# Altium PCB 400484.PcbDoc (part 4 of 5)
Units mil, origin at the board's own origin, x right, y up, seen from the top; angles counter-clockwise.
Board outline 5375.1 x 2500 mil, 4 copper layers (Top Layer, Mid-Layer 1, Mid-Layer 2, Bottom Layer), stack 61.731 mil thick; 327 components, 226 nets, 1370 pads, 1365 vias.
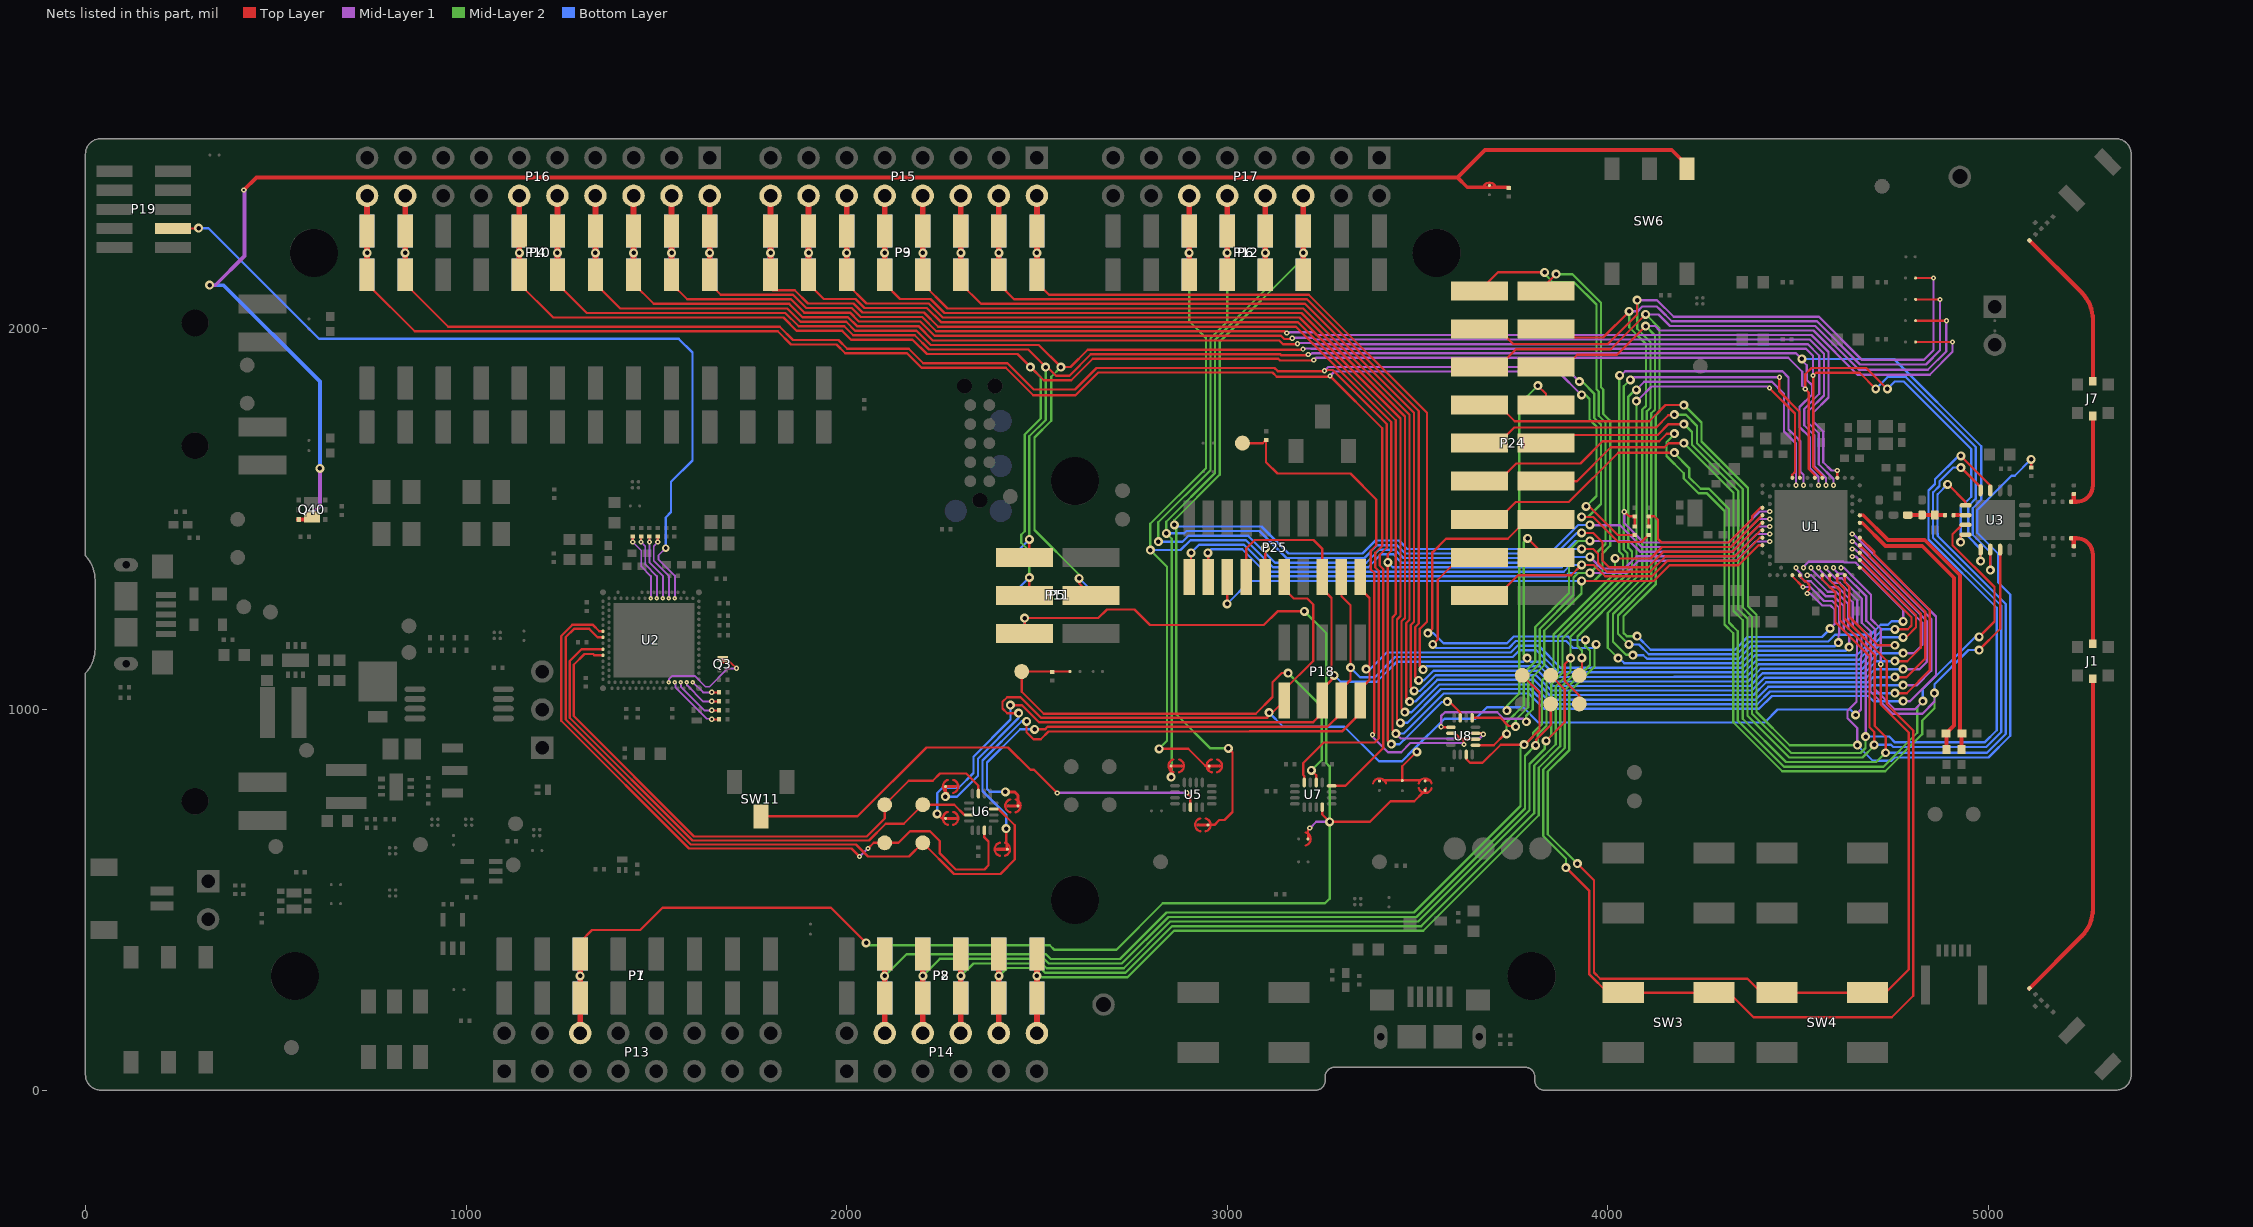
[diagram p6: the nets of this part, all layers, seen from the top]

## Via types
v1: diameter 23.62, hole 11.81, Top Layer to Bottom Layer, tented both sides, 881 vias
v2: diameter 19.68, hole 9.84, Top Layer to Bottom Layer, tented both sides, 281 vias
v3: diameter 13.78, hole 5.91, Top Layer to Mid-Layer 1, tented both sides, 129 vias
v4: diameter 13.78, hole 5.91, Top Layer to Mid-Layer 1, tented top, 40 vias
v5: diameter 24, hole 12, Top Layer to Bottom Layer, tented both sides, 24 vias
v6: diameter 11.81, hole 3.94, Top Layer to Mid-Layer 1, tented top, 10 vias

## Nets (pads, with @x,y where several pads share a name; then routed paths per layer and width w, separated by ;. In a path a pad name is that pad's centre, name@x,y a point inside that pad or via, vN(x,y) a via of type N, cw(c..) or ccw(c..) an arc to the next point about the centre after c; other vN are vias at no path point) (continued)
P0.04/AIN2: P2.2 P8.2 P14.4 TP43.1 U1.J1 U8.15 | length 3777.1
  Top Layer w6: U8.15@3627.87,881.77 3627.87,870.13 3638.02,859.98 3670.98,859.98 3718.48,907.48 3769.52,907.48 v1@3774.5,902.5 ; TP43.1@3775,1090 3820.26,1044.74 3820.26,946.55 3803.41,929.71 3803.41,929.42 v1@3781,907.01 ; v1(4019,1397) 4112.09,1397 4142.09,1427 4322.85,1427 4329.87,1434.03 4329.87,1434.1 4391.63,1495.85 4391.63,1496.81 4400.08,1505.26 4401.03,1505.26 4403.92,1508.15 U1.J1@4403.92,1508.62
  Top Layer w15: P14.4@2100,150 P2.2@2100,242.32 v1(2100,300) P2.2@2100,357.68
  Mid-Layer 2 w6: v1(2100,300) 2157,357 2523.61,357 2536.02,344.59 2718.03,344.59 2840.43,467 2887,467 3491,467 3770.33,746.33 3770.33,898.33 v1(3780,908) ; v1@3781.13,906.87 3803.63,929.37 3803.63,939.1 3826.91,962.37 3826.91,984.91 3827,985 3827,1076.42 3857,1106.42 3857,1197.06 4019,1359.06 v1(4019,1397)
  Bottom Layer w15: P8.2@2100,242.32 v1(2100,300) P8.2@2100,357.68
P0.05/AIN3: P6.3 P12.3 P17.6 SB51.1 U1.K2 | length 3790.7
  Top Layer w6: SB51.1@2949.3,697 2956.17,697 2966.2,697 2979.2,710 2993,710 3014.08,731.08 3014.08,886.92 v1(3003,898)
  Top Layer w15: P6.3@3200,2152 v1(3200,2200) P6.3@3200,2257.68 P17.6@3200,2350
  Mid-Layer 1 w6: v1@3954,1484 4032.16,1484 4089.16,1427 4322.85,1427 4396.53,1500.68 v3(4425.73,1500.68)
  Mid-Layer 2 w6: v1(3003,898) 2956,898 2866,988 2866,1480 v1(2861,1485) 2861,1497.73 2980,1616.73 2980,1966 3200,2186 v1(3200,2200)
  Bottom Layer w6: v1(2861,1485) 2865,1481 3090,1481 3161,1410 3355.39,1410 3389.39,1444 3451,1444 3473,1422 3859.3,1422 3922.3,1485 v1(3953,1485)
  Bottom Layer w15: P12.3@3200,2142.32 v1(3200,2200) P12.3@3200,2257.68
P0.06: P6.4 P12.4 P17.8 SB53.1 U1.L1 | length 3601.4
  Top Layer w5.91: 4323,1415 4327.75,1415 4341.83,1429.08 4341.83,1429.15 4403.52,1490.84 U1.L1@4406.05,1490.84
  Top Layer w6: v1(3931,1464) 3961.7,1464 3986,1439.7 3986,1390.94 4002.94,1374 4106.06,1374 4147.06,1415 4323,1415
  Top Layer w8: v1(2852.7,822.7) 2852.7,838.1 SB53.1@2852.7,852
  Top Layer w15: P6.4@3100,2142.32 v1(3100,2200) P6.4@3100,2257.68 P17.8@3100,2350
  Mid-Layer 2 w6: v1(2852.7,822.7) 2854,824 2854,1449 v1(2840,1463) 2840,1493.7 2968,1621.7 2968,1970.97 3100,2102.97 v1(3100,2200)
  Bottom Layer w6: v1(2840,1463) 2887.36,1463 2893.36,1469 3084.7,1469 3155.7,1398 3360.36,1398 3394.36,1432 3446.03,1432 3468.03,1410 3864.27,1410 3918.27,1464 v1(3931,1464)
  Bottom Layer w15: P12.4@3100,2142.32 v1(3100,2200) P12.4@3100,2257.68
P0.07: P6.5 P12.5 P17.10 P25.12 U1.M2 U8.1 | length 3658.1
  Top Layer w6: P25.12@3100,1348.23 v1(3100,1424) ; U8.1@3652.48,906.38 3700.41,906.38 3730.03,936 v1(3734,936)
  Top Layer w15: P6.5@3000,2150 v1(3000,2200) P6.5@3000,2257.68 P17.10@3000,2350
  Mid-Layer 1 w6: v1(3953,1443) 4056.33,1443 4084.33,1415 4327.82,1415 4393.82,1481 v3(4425.73,1481)
  Mid-Layer 2 w6: v1(2819,1441) 2819,1492 2956,1629 2956,1975.94 3000,2019.94 v1(3000,2200) ; v1(3734,936) 3734,966.3 3779,1011.3 3779,1096.3 3809,1126.3 3809,1216.94 3898,1305.94 3898,1418.7 3922.3,1443 v1(3953,1443)
  Bottom Layer w6: v1(2819,1441) 2882.33,1441 2898.33,1457 3054.27,1457 3125.27,1386 3365.33,1386 3399.33,1420 3441.06,1420 3463.06,1398 3869.24,1398 3914.24,1443 v1(3953,1443)
  Bottom Layer w15: P12.5@3000,2142.32 v1(3000,2200) P12.5@3000,2257.68
P0.08: P6.6 P12.6 P17.12 SB52.1 U1.N1 | length 3647.6
  Top Layer w5.91: 4333.95,1403 4402.11,1471.16 U1.N1@4406.05,1471.16
  Top Layer w6: v1(2821,897) 2897.64,897 2942.28,852.36 2945.83,852.36 2952.34,852.36 SB52.1@2952.7,852 2952.7,845 ; v1(3931,1422) 3961.7,1422 3974,1409.7 3974,1385.97 3997.97,1362 4111.03,1362 4152.03,1403 4333.95,1403
  Top Layer w15: P6.6@2900,2154 v1(2900,2200) P6.6@2900,2257.68 P17.12@2900,2350
  Mid-Layer 2 w6: v1(2821,897) 2842,918 2842,1375 v1(2798,1419) 2798,1487.97 2944,1633.97 2944,1976 2900,2020 v1(2900,2200)
  Bottom Layer w6: v1(2798,1419) 2877.3,1419 2903.3,1445 3049.3,1445 3120.3,1374 3370.3,1374 3404.3,1408 3436.09,1408 3458.09,1386 3874.21,1386 3910.21,1422 v1(3931,1422)
  Bottom Layer w15: P12.6@2900,2142.32 v1(2900,2200) P12.6@2900,2257.68
P0.09/NFC1: R43.2 R44.2 U1.L24 | length 768.2
  Top Layer w9.84: U1.L24@4661.95,1490.84 4662.14,1490.65 4668.55,1490.65 4729.63,1429.58 4826.17,1429.58 4909.4,1346.35 4909.4,957.87 R43.2@4888.53,937 4890,935.53 R44.2@4890,894.68
P0.10/NFC2: R45.2 R46.2 U1.J24 | length 787.1
  Top Layer w9.84: U1.J24@4661.95,1510.53 4670.95,1510.53 4736.05,1445.42 4832.73,1445.42 4925.24,1352.91 4925.24,942.91 R45.2@4931.16,937 ; R46.2@4929,894.68 R45.2@4929,934.84
P0.11: P24.1 P25.18 U1.T2 U8.5 | length 3336.5
  Top Layer w6: v1(2949,1412) 2950,1411 P25.18@2950,1348.23 ; U8.5@3643.62,978.23 3718,978.23 3739.23,957 3756,957 v1(3758,955) ; P24.1@3662.5,2100 3711.5,2149 v1(3834,2149)
  Mid-Layer 1 w6: v1(3953,1359) 4048.84,1359 4080.84,1391 4337.76,1391 4388.39,1441.63 v3(4425.73,1441.63)
  Mid-Layer 2 w6: v1(3758,955) 3758,973 3791,1006 3791,1091.33 3821,1121.33 3821,1211.97 3910,1300.97 3910,1346.7 3922.3,1359 v1(3953,1359) 3973.91,1379.91 3973.91,1415.14 3994,1435.24 3994,1753.81 3976,1771.81 3976,1835.72 3970,1841.72 3970,2064.03 3911.03,2123 3855.3,2123 3834,2144.3 v1(3834,2149)
  Bottom Layer w6: v1(2949,1412) 2958,1421 3039.36,1421 3110.36,1350 3889.12,1350 3898.12,1359 v1(3953,1359)
P0.12: P24.2 P25.16 U1.U1 U8.9 | length 3258.6
  Top Layer w5.91: 4337,1379 4343.11,1379 4395.9,1431.79 U1.U1@4406.05,1431.79
  Top Layer w6: v1(3000,1278) P25.16@3000,1348.23 ; v3(3562,955) 3563.38,953.62 U8.9@3587.52,953.62 ; P24.2@3837.5,2100 3837.5,2117.5 v1(3864,2144) ; v1(3931,1338) 4120.97,1338 4161.97,1379 4337,1379
  Mid-Layer 1 w6: v3(3562,955) 3562,983.08 3572.05,993.13 3709.17,993.13 3726.3,976 3778,976 v1(3786,968)
  Mid-Layer 2 w6: v1@3785,968 3785,983.03 3803,1001.03 3803,1086.36 3833,1116.36 3833,1207 3931,1305 v1(3931,1338) 3964,1338 3985.81,1359.81 3985.81,1410.21 4006,1430.4 4006,1758.78 3988,1776.78 3988,1840.69 3982,1846.69 3982,2069 3907,2144 v1(3864,2144)
  Bottom Layer w6: v1(3000,1278) 3060,1338 v1(3931,1338)
P0.13: P24.3 SB5.1 U1.AD8 | length 3410.3
  Top Layer w6: P24.3@3681,2000 3712,2000 3751.37,1960.63 3999.77,1960.63 4076.82,2037.68 4076.82,2054.84 4076.77,2054.89 v1(4076.77,2075.79) ; U1.AD8@4484.79,1353.05 4484.79,1350.21 v3(4513,1322) ; SB5.1@4808.63,2133.73 v3(4855.71,2133.73) v3@4859.25,2133.73
  Mid-Layer 1 w6: v1(4076.77,2075.79) 4129.21,2075.79 4173,2032 4554.61,2032 4667.79,1918.83 4830.24,1918.83 4855.71,1944.3 v3(4855.71,2133.73) ; v3(4513,1322) 4531.57,1322 4568.1,1285.47 4589.67,1285.47 4607.91,1267.24 4607.91,1197.91 4606,1196 v1(4606,1176)
  Mid-Layer 2 w6: v1(4066,1143) 4065.3,1143.7 4048.23,1143.7 4013.78,1178.15 4013.78,1251.1 4102.47,1339.8 4102.47,1783.47 4112.02,1793.01 4112.02,1965.44 4077.01,2000.45 4077.01,2075.55 v1(4076.77,2075.79)
  Bottom Layer w6: v1(4066,1143) 4093.33,1143 4102.8,1133.53 4343.78,1133.53 4376.99,1166.73 4596.73,1166.73 v1(4606,1176)
P0.14: P24.4 SB6.1 U1.AC9 | length 3269
  Top Layer w6: P24.4@3837.5,2000 3888.78,2000 3911.42,1977.36 3987.1,1977.36 4056,2046.26 v1(4056.1,2046.26) ; SB6.1@4808.63,2077.73 v3(4873.03,2077.73)
  Mid-Layer 1 w6: v1(4056.1,2046.26) 4077.72,2046.26 4090.75,2059.29 4128.6,2059.29 4138.17,2049.72 4138.31,2049.72 4168.03,2020 4549.78,2020 4662.86,1906.92 4836.06,1906.92 4873.03,1943.9 v3(4873.03,2077.73) ; v3(4494.63,1372.73) 4494.63,1370.08 4508.36,1356.35 4508.36,1346.5 4517.61,1337.25 4533.15,1337.25 4573.03,1297.37 4594.61,1297.37 4619.81,1272.17 4619.81,1208.6 4634,1194.41 v1(4634,1164)
  Mid-Layer 2 w6: v1(4027.16,1135) 4033.62,1141.47 4020.69,1141.47 3999.76,1162.4 3999.76,1253.92 4090.57,1344.73 4090.57,1788.4 4100.11,1797.94 4100.11,1960.51 4056.1,2004.52 v1(4056.1,2046.26)
  Bottom Layer w6: v1(4027.16,1135) 4030.1,1135 4043.48,1121.62 4348.71,1121.62 4381.92,1154.83 4624.83,1154.83 v1(4634,1164)
P0.15: P24.5 SB7.1 U1.AD10 | length 3207.9
  Top Layer w6: P24.5@3662.5,1900 3712,1900 3758.85,1946.85 4007.87,1946.85 v1(4099.41,2038.39) ; U1.AD10@4504.47,1353.05 4504.47,1350.39 4517.61,1337.25 4520.09,1337.25 4530.02,1327.32 4530.02,1316.33 4524,1310.32 v3(4524,1305) ; SB7.1@4808.63,2021.73 v3(4889.55,2021.65)
  Mid-Layer 1 w6: v1@4099.41,2037.96 4133.1,2037.96 4163.06,2008 4544.94,2008 4660.22,1892.72 4840.55,1892.72 4889.55,1941.71 v3(4889.55,2021.65) ; v3(4524,1305) 4531.73,1305 4563.17,1273.56 4584.74,1273.56 4596,1262.3 4596,1225 v1(4584,1213)
  Mid-Layer 2 w6: v1(4077,1193) 4049.84,1193 4041.34,1201.5 4041.34,1244.99 4126.28,1329.93 4126.28,1773.61 4135.83,1783.15 4135.83,2001.97 v1(4099.41,2038.39)
  Bottom Layer w6: v1(4077,1193) 4112.66,1157.34 4333.92,1157.34 4367.12,1190.54 4562.59,1190.54 4584,1211.95 v1(4584,1213)
P0.16: P24.6 SB8.1 U1.AC11 | length 3329.7
  Top Layer w6: P24.6@3837.5,1900 3887.5,1900 3919.59,1932.09 4023.89,1932.09 4096.46,2004.66 v1@4099.41,2004.66 ; SB8.1@4808.63,1965.73 v3(4905.51,1965.73)
  Mid-Layer 1 w6: v1(4099.41,2007.61) 4124.39,2007.61 4136,1996 4540.1,1996 4656.1,1880 4845.55,1880 4905.51,1939.96 v3(4905.51,1965.73) ; v3(4514.31,1372.73) 4514.31,1375.38 4527.46,1388.53 4619.28,1388.53 4621.35,1386.46 4650.7,1386.46 4656.58,1380.58 4776,1261.16 v1(4776,1232)
  Mid-Layer 2 w6: v1(4055,1171) 4026.57,1199.43 4026.57,1247.06 4114.38,1334.87 4114.38,1778.54 4123.92,1788.08 4123.92,1983.1 v1(4099.41,2007.61)
  Bottom Layer w6: v1(4055,1171) 4082.16,1171 4107.73,1145.43 4338.85,1145.43 4372.05,1178.64 4579.07,1178.64 4597.34,1196.91 4691.21,1196.91 4717.21,1222.91 4736.21,1222.91 4745.3,1232 v1(4776,1232)
P0.17: P24.7 R6.1 U1.AD12 | length 3592
  Top Layer w6: P24.7@3662.5,1800 3712.5,1800 3755.26,1757.24 4108.62,1757.24 4151.38,1800 v5(4200,1800) ; R6.1@5112.2,1636.61 v1(5112.2,1657.48)
  Mid-Layer 1 w6: v3(4524.16,1353.05) 4534.19,1353.05 4577.96,1309.28 4599.54,1309.28 4631.72,1277.1 4631.72,1213.53 4654.91,1190.35 4654.91,1146.59 4653.58,1145.27 4653.58,1020.71 4629.92,997.05 4629.92,977.33 4655.51,951.73 v1(4655.51,906.5)
  Mid-Layer 2 w6: v5(4200,1800) 4246.06,1753.94 4246.06,1704.45 4368.11,1582.4 4368.11,1271.57 4390.75,1248.94 4390.75,993.75 4478,906.5 v1(4655.51,906.5)
  Bottom Layer w6: v1(4655.51,906.5) 4696.38,865.63 4745.55,865.63 4753.94,874.02 5000.31,874.02 5057.37,931.07 5057.37,1302.51 5025.83,1334.05 5025.83,1409.31 4970.57,1464.57 4970.57,1524.29 5060.45,1614.17 5068.9,1614.17 v1(5112.2,1657.48)
P0.18/RESET: P18.10 P24.8 P25.10 SB42.2 SB44.2 SB45.2 SB56.1 U1.AC13 | length 4903.5
  Top Layer w6: v1(2451.64,990.36) 2421.94,990.36 2409.42,1002.88 2409.42,1020.28 2421.72,1032.58 2456.5,1032.58 2510.4,978.68 3105.45,978.68 P18.10@3150,1023.23 3150,1051.84 3226,1127.84 3226,1276 3210.02,1291.98 3175.02,1291.98 3150,1317 P25.10@3150,1348.23 ; 3409,814.3 3412.11,814.3 SB42.2@3460,814.3 ; v1(3498,889) 3460,851 SB42.2@3460,814.3 ; 3507.89,814.3 SB42.2@3460,814.3 ; SB44.2@3520,814.3 3532.11,814.3 ; v1(3816,1851) 3837.5,1829.5 P24.8@3837.5,1800
  Top Layer w8: 2259.7,784.1 SB56.1@2259.7,798
  Mid-Layer 1 w6: v3(4534,1372.73) 4534,1370.08 4582.89,1321.18 4604.47,1321.18 4643.62,1282.03 4643.62,1218.47 4666.81,1195.28 4666.81,1141.66 4665.49,1140.34 4665.49,1000.13 v1(4651.08,985.73)
  Mid-Layer 2 w6: v1(3735,997) 3735,1010.15 3767,1042.15 3767,1802 v1(3816,1851)
  Bottom Layer w6: v1(2259.4,771) 2289.7,771 2344.94,826.24 2344.94,870.94 2451.64,977.64 v1(2451.64,990.36) ; v1(3110,992) 3147,955 3307.49,955 3398.49,864 3458.88,864 v1@3490.94,896.06 ; v1(3498,889) v1@3490.94,896.06 ; v1(3735,997) 3726,1006 3682.64,1006 3652.51,975.87 3570.76,975.87 v1@3490.94,896.06 ; v1@3735,1006 3777.56,1006 3817.47,966.09 4412.07,966.09 4445.97,1000 4636.81,1000 v1(4651.08,985.73)
P0.19: P24.9 U1.AC15 U3.7 | length 3635.2
  Top Layer w6: P24.9@3662.5,1700 3712.5,1700 3753.83,1741.33 4127.15,1741.33 4159.06,1773.24 4173.24,1773.24 v5(4175,1775) ; v1(4927.34,1666.32) 5004.92,1588.74 U3.7@5004.92,1575.79
  Mid-Layer 1 w6: v3(4553.68,1372.73) 4553.68,1370.08 4590.67,1333.09 4609.4,1333.09 4655.53,1286.96 4655.53,1223.4 4678.72,1200.21 4678.72,1136.73 4677.39,1135.41 v1@4677.39,929.13
  Mid-Layer 2 w6: v5(4175,1775) 4204.56,1775 4234.16,1745.41 4234.16,1699.52 4354.31,1579.37 4354.31,1268.54 4378.84,1244 4378.84,988.82 4481.88,885.78 4664.09,885.78 4677.17,898.85 v1(4677.17,929.13)
  Bottom Layer w6: v1(4677.17,929.13) 4739.28,929.13 4754.64,913.77 4989.56,913.77 5021.65,945.87 5021.65,1267.75 4842.63,1446.77 4842.63,1575.31 4859.83,1592.51 4859.83,1604.93 4921.22,1666.32 v1(4927.34,1666.32)
P0.20: P24.10 U1.AD16 U3.8 | length 3359.8
  Top Layer w6: P24.10@3837.5,1700 3858.96,1721.46 4130.91,1721.46 4159.45,1750 v5(4200,1750) ; U1.AD16@4563.53,1353.05 4563.53,1342.47 4598.09,1307.91 4598.09,1260 4598.19,1259.91 4598.19,1229.69 4687.65,1140.23 4687.65,953.41 4699.8,941.26 v1(4699.8,907.48) ; v1(4927.41,1635.91) 4928.23,1635.91 4979.33,1584.81 U3.8@4979.33,1575.79
  Mid-Layer 2 w6: v5(4200,1750) 4220.91,1729.09 4220.91,1695.93 4342.4,1574.44 4342.4,1263.61 4366.94,1239.07 4366.94,983.89 4476.95,873.87 4669.02,873.87 4699.8,904.65 v1(4699.8,907.48)
  Bottom Layer w6: v1(4699.8,907.48) 4744.09,907.48 4749.71,901.86 4994.49,901.86 5033.56,940.93 5033.56,1272.68 4854.53,1451.7 4854.53,1569.79 4854.9,1570.15 4854.9,1570.74 4871.74,1587.58 4871.74,1600 4907.65,1635.91 v1(4927.41,1635.91)
P0.21: P24.11 U1.AC17 U3.15 | length 3213.5
  Top Layer w6: P24.11@3662.5,1600 3712.5,1600 3759.15,1646.65 3928.15,1646.65 3986.22,1704.72 4134.84,1704.72 4155.12,1725 v5(4175,1725) ; v1(4975.39,1156.5) 5031.35,1212.45 5031.35,1419.44 U3.15@5030.51,1420.28
  Mid-Layer 1 w6: v3(4573.37,1372.73) 4573.37,1370.08 4598.45,1344.99 4614.33,1344.99 4667.43,1291.89 4667.43,1228.33 4690.62,1205.14 4690.62,1131.8 4689.3,1130.47 4689.3,1048.36 4748.47,989.19 4826.5,989.19 4858.27,1020.95 v1(4858.27,1043)
  Mid-Layer 2 w6: v5(4175,1725) 4175,1723.23 4154.09,1702.32 4154.09,1666.34 4199.8,1620.63 4199.8,1607.28 4239.07,1568.02 4260.62,1568.02 4306.68,1521.95 4306.68,1223.76 4329.72,1200.72 4329.72,966.54 4458.1,838.16 4729.01,838.16 4825.79,934.93 4825.79,970.73 4858.27,1003.21 v1(4858.27,1043)
  Bottom Layer w6: v1@4860.71,1039.88 4860.71,1045.44 v1(4858.27,1043) 4858.27,1066.82 4947.94,1156.5 v1(4975.39,1156.5)
P0.22: P24.12 U1.AD18 U3.9 | length 3304.9
  Top Layer w6: P24.12@3837.5,1600 3918.9,1600 4007.87,1688.98 4148.62,1688.98 4159.65,1700 v5(4200,1700) ; U1.AD18@4583.21,1353.05 4583.21,1339.76 4610.09,1312.88 4610.09,1234.62 4701.4,1143.31 4701.4,1125.74 4701.2,1125.54 4701.2,1112.46 4701.4,1112.26 4701.4,957.11 4729.89,928.62 v1(4729.89,886.53) ; v1(4893.12,1591.82) 4893.66,1591.82 4939.96,1545.52 U3.9@4939.96,1536.42
  Mid-Layer 2 w6: v5(4200,1700) 4330.5,1569.5 4330.5,1258.68 4354.33,1234.84 4354.33,975.6 4467.97,861.97 4705.33,861.97 v1(4729.89,886.53)
  Bottom Layer w6: v1(4729.89,886.53) 4995.99,886.53 5045.46,936 5045.46,1277.61 4866.8,1456.27 4866.8,1462.43 4866.44,1462.8 4866.44,1564.85 4866.8,1565.22 4866.8,1565.81 4892.81,1591.82 v1(4893.12,1591.82)
P0.23: P24.13 U1.AC19 U3.11 | length 3149.1
  Top Layer w6: P24.13@3662.5,1500 3712.5,1500 3757.78,1545.28 3897.64,1545.28 4027.36,1675 v5(4175,1675) ; U3.11@4939.96,1485.24 4930.41,1485.24 4905.7,1460.53 4905.7,1431.9 5015.75,1321.85 5015.75,1231.3 v1(4975.39,1190.94)
  Mid-Layer 1 w6: v3(4593.05,1372.73) 4593.05,1370.08 4606.23,1356.9 4619.26,1356.9 4679.34,1296.82 4679.34,1233.26 4702.53,1210.07 4702.53,1126.87 4701.2,1125.54 4701.2,1053.72 4753.83,1001.09 4806.85,1001.09 4824.8,1019.05 v1@4824.8,1022.64
  Mid-Layer 2 w6: v5(4175,1675) 4175,1673.51 4213.58,1634.93 4213.58,1610.34 4244,1579.92 4265.55,1579.92 4318.59,1526.88 4318.59,1228.69 4341.63,1205.65 4341.63,971.47 4463.03,850.06 4724.08,850.06 4812.99,938.98 4812.99,1006.63 4827.76,1021.39 v1(4827.76,1022)
  Bottom Layer w6: v1(4827.76,1022) 4827.76,1053.15 v1@4965.55,1190.94
P0.24: P24.14 SW3.2 U1.AD20 | length 4081.8
  Top Layer w6: v1(3527,1201) 3527,1201.33 3539,1213.33 3539,1413 3575,1449 3737,1449 3788,1500 P24.14@3837.5,1500 ; v1(3890,585) 3951.57,523.43 3951.57,303.93 3999.53,255.97 4026.7,255.97 4292.45,255.97 4318.53,255.97 4383,191.5 4746,191.5 4802.75,248.25 4802.75,945.28 4733.09,1014.94 4733.09,1128.46 4622.09,1239.46 4622.09,1317.85 4602.9,1337.04 U1.AD20@4602.9,1353.05
  Mid-Layer 2 w6: v1(3890,585) 3890,608.16 3830.33,667.83 3830.33,842.3 3887,898.97 3887,1051.57 3896.72,1061.28 3896.85,1061.28 3952.91,1117.34 3952.91,1154.28 3941,1166.19 v1(3941,1183)
  Bottom Layer w6: v1(3527,1201) 3541,1201 3568,1174 3735.09,1174 3753.09,1192 3895.61,1192 3904.61,1183 v1(3941,1183)
P0.25: P24.15 SW4.2 U1.AC21 | length 3734.5
  Top Layer w6: v1(3540,1171) 3553.15,1184.15 3553.15,1341.15 3612,1400 P24.15@3662.5,1400 ; v1(3920,595) 3963.57,551.43 3963.57,308.9 3979.94,292.53 4366.97,292.53 4403.53,255.97 4430.7,255.97 4696.45,255.97 4729.81,255.97 4790.75,316.91 4790.75,939.57 4717,1013.32 v3(4717,1119) ; v3@4717,1120 v3@4717.5,1119.5
  Mid-Layer 1 w6: v3(4612.74,1372.73) 4620.27,1372.73 4691.24,1301.76 4691.24,1238.19 4717,1212.44 v3(4717,1119)
  Mid-Layer 2 w6: v1(3920,595) 3842.33,672.67 3842.33,837.33 3899,894 3899,1046.6 3965,1112.6 3965,1167 v1(3969,1171)
  Bottom Layer w6: v1(3540,1171) 3549,1162 3740.06,1162 3758.06,1180 3890.64,1180 3908.64,1162 3960,1162 v1(3969,1171)
P0.26: C51.2 R1.2 U1.G1 | length 424.3
  Top Layer w5.91: 4313,1439 4317.87,1439 4317.92,1439.05 4379.68,1500.81 4379.68,1504.48
  Top Layer w6: R1.2@4107,1482.69 C51.2@4107,1507.78 4122.22,1507.78 4132,1498 4132,1448 4141,1439 4313,1439 ; 4379.68,1504.48 4379.68,1508.68 4401.21,1530.21 U1.G1@4406.05,1530.21
P0.27: C52.1 R2.2 U1.H2 | length 524.6
  Top Layer w6: v3(4043,1520) 4043.32,1520.32 4055.85,1507.78 C52.1@4071,1507.78 R2.2@4071,1482.69
  Mid-Layer 1 w6: v3(4043,1520) 4043,1490 4094,1439 4317.87,1439 4399.24,1520.37 v3@4424.34,1520.37
  other v3: 4425.73,1520.37
P0.28/AIN4: P2.3 P8.3 P14.6 TP44.1 U1.B11 | length 4226.3
  Top Layer w6: v1(3810,906) 3812.13,908.13 3812.13,921.3 3815.32,924.49 3815.32,924.78 3850,959.46 TP44.1@3850,1015
  Top Layer w15: P14.6@2200,150 P2.3@2200,242.32 v1(2200,300) P2.3@2200,357.68
  Mid-Layer 1 w6: v1@4033,1876.3 4045.5,1888.8 4458.65,1888.8 4475,1872.44 4475,1736 4494.13,1716.87 4494.13,1716.73 4506.53,1704.33 4506.53,1624.58 4514.31,1616.8 v3(4514.31,1589.27)
  Mid-Layer 2 w6: v1(2200,300) 2245,345 2518.64,345 2531.05,332.59 2723,332.59 2845.4,455 3497,455 3782.33,740.33 3782.33,878.33 v1(3810,906) 3815.54,911.54 3815.54,934.16 3838.81,957.44 3838.81,979.81 3839,980 3839,1071.45 3869,1101.45 3869,1192.09 4039.91,1362.99 4039.91,1405.66 4029.91,1415.66 4029.91,1666.91 4030,1667 4030,1877.3 v1(4031,1878.3)
  Bottom Layer w15: P8.3@2200,242.32 v1(2200,300) P8.3@2200,357.68
P0.29/AIN5: P2.4 P8.4 P14.8 TP45.1 U1.A10 | length 4167.5
  Top Layer w6: v1(3838,918) 3887,967 3887,1053 TP45.1@3850,1090 ; v3(4450.79,1873) 4450.79,1835.74 4503.82,1782.71 4503.82,1609.61 U1.A10@4504.47,1608.95